# Altium PCB Copy of PCB.PcbDoc (part 3 of 3)
Units mm, origin at the board's own origin, x right, y up, seen from the top; angles counter-clockwise.
Board outline 229 x 100 mm, 4 copper layers (Top Layer 1, Inner Layer 2, Inner Layer 3, Bottom Layer 4), stack 1.586 mm thick; 164 components, 97 nets, 426 pads, 765 vias.
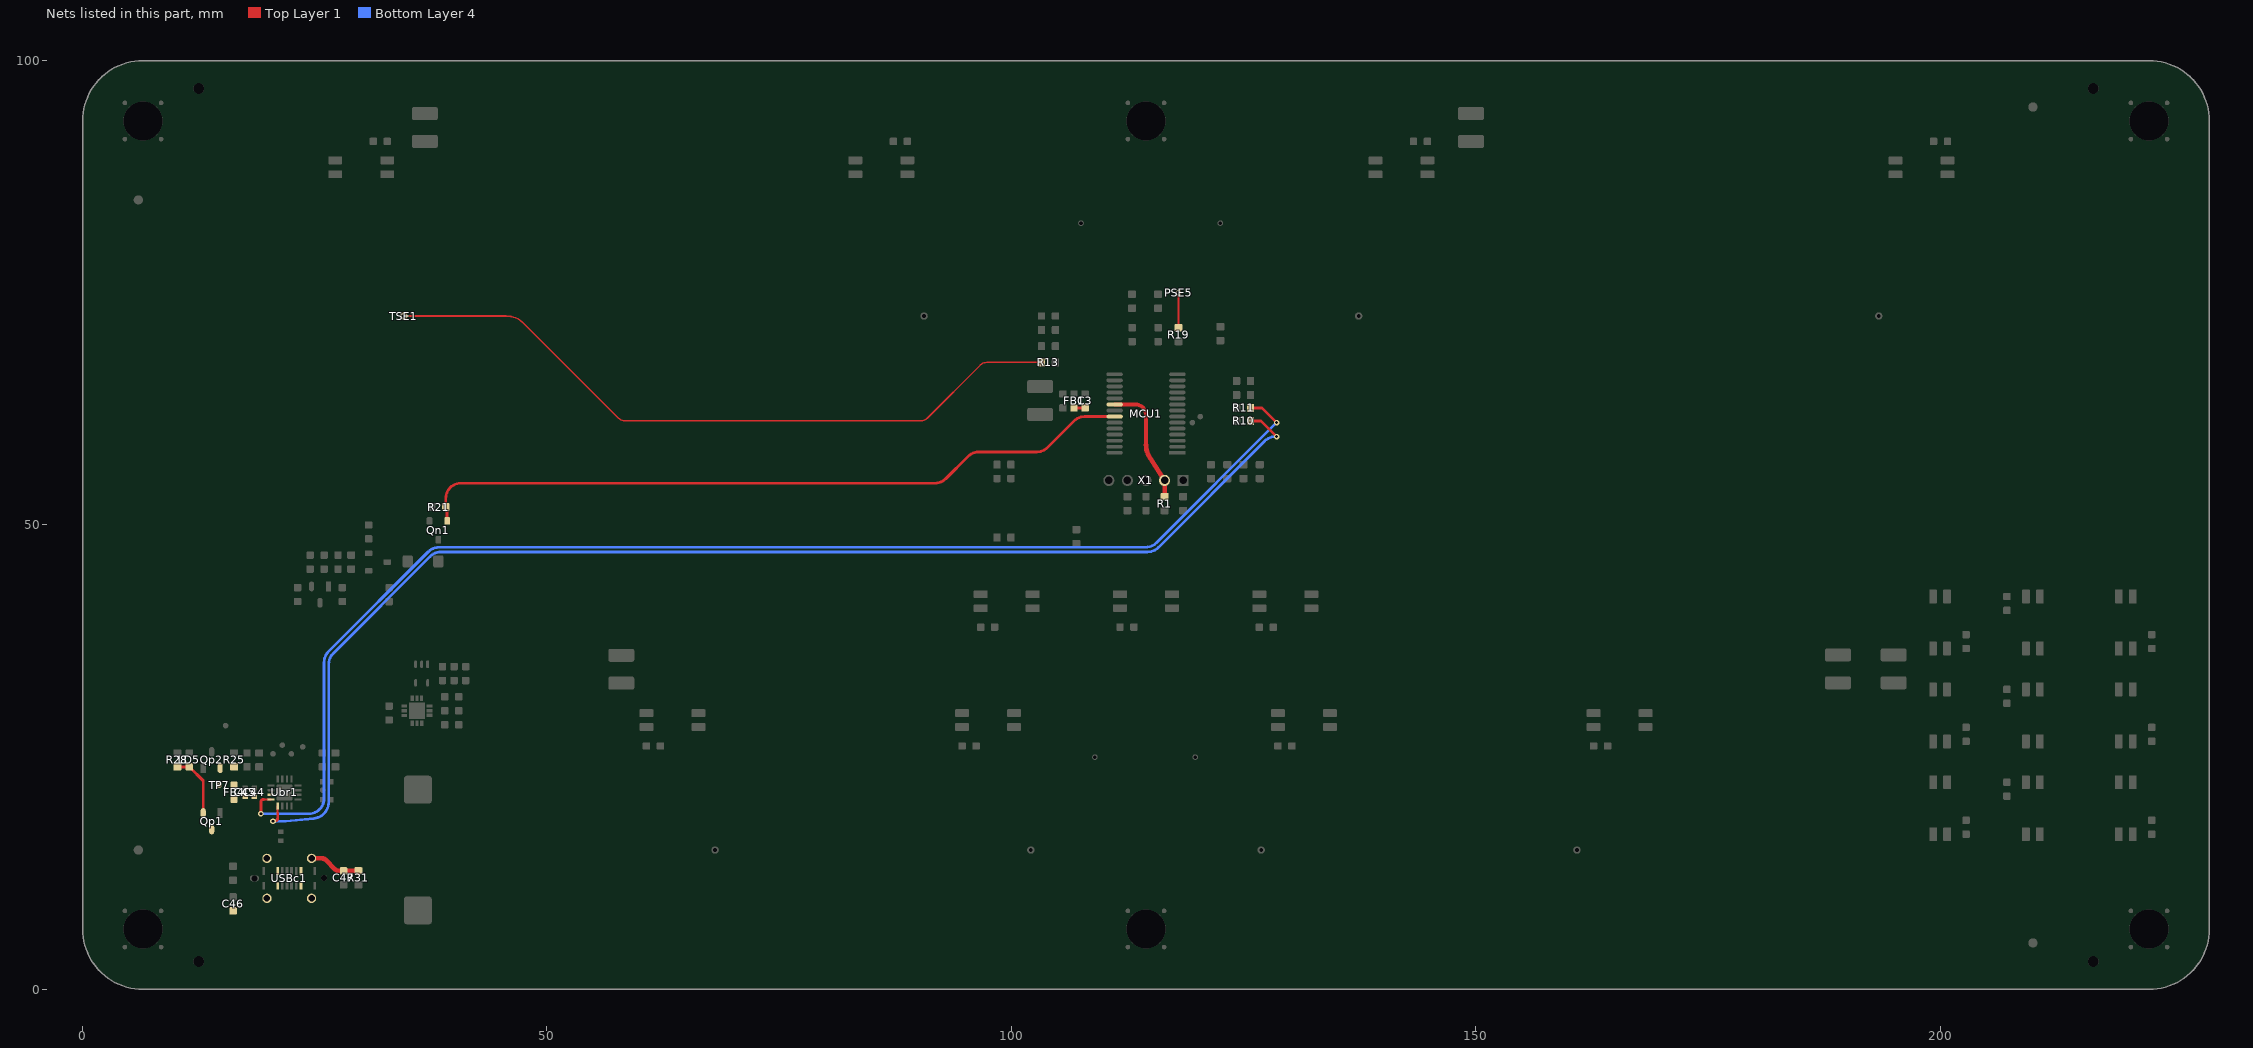
[diagram p5: the nets of this part, all layers, seen from the top]

## Via types
v1: diameter 0.6, hole 0.3, Top Layer 1 to Bottom Layer 4, tented both sides, 696 vias
v2: diameter 0.7, hole 0.4, Top Layer 1 to Bottom Layer 4, tented both sides, 69 vias

## Nets (pads, with @x,y where several pads share a name; then routed paths per layer and width w, separated by ;. In a path a pad name is that pad's centre, name@x,y a point inside that pad or via, vN(x,y) a via of type N, cw(c..) or ccw(c..) an arc to the next point about the centre after c; other vN are vias at no path point) (continued)
RXD: R10.1 Ubr1.5 | length 139.7
  Top Layer 1 w0.2: 21,18.95 Ubr1.5@21,19.75
  Top Layer 1 w0.3: v1(20.5,18.1) 20.734,18.127 ccw(c20.7,18.425) 21,18.425 21,18.95 ; R10.1@125.75,61.2 126.882,61.2 v1(128.565,59.518)
  Bottom Layer 4 w0.3: v1(20.5,18.1) 21.704,18.1 ccw(c21.701,19.75) 21.863,18.108 24.911,18.409 ccw(c24.738,20.162) 26.5,20.162 26.5,35.009 cw(c28.15,35.009) 26.982,36.175 37.425,46.617 cw(c38.591,45.45) 38.591,47.1 114.664,47.1 ccw(c114.664,48.75) 115.829,47.583 127.282,59.035 cw(c128.448,57.868) 128.448,59.518 v1(128.565,59.518)
SH: C47.2 R31.1 USBc1.SH | length 5.6
  Top Layer 1 w0.5: USBc1.SH@24.65,14.1 25.81,14.1 cw(c25.81,13.6) 26.163,13.954 27.222,12.896 ccw(c27.575,13.25) 27.575,12.75 R31.1@29.7,12.75
SHIELD: PSE5.1 R19.1 | length 3.7
  Top Layer 1 w0.17: R19.1@118,71.25 PSE5.1@118,75
TXD: R11.1 Ubr1.4 | length 141.8
  Top Layer 1 w0.2: 19.5,20.45 Ubr1.4@20.3,20.45
  Top Layer 1 w0.3: v1(19.2,18.9) 19.2,20.15 cw(c19.5,20.15) 19.5,20.45 ; R11.1@125.75,62.6 126.99,62.6 v1(128.565,61.025)
  Bottom Layer 4 w0.3: v1(19.2,18.9) 24.35,18.9 ccw(c24.35,20.55) 26,20.55 26,35.217 cw(c27.65,35.217) 26.482,36.383 37.217,47.117 cw(c38.383,45.95) 38.383,47.6 114.456,47.6 ccw(c114.456,49.25) 115.622,48.082 v1(128.565,61.025)
VBUS: FB4.1 LD5.2 Qp1.2 Qp2.2 R25.1 R28.2 TP7.1 | length 6.9
  Top Layer 1 w0.3: R28.2@10.2,23.95 LD5.2@11.5,23.95 12.985,22.465 Qp1.2@12.985,18.977
VBUSin: C46.2 Qp1.3 USBc1.A4 USBc1.A9 USBc1.B4 USBc1.B9
VDD5: C44.1 C45.1 FB4.2 Ubr1.3
VIBRATE: MCU1.22 Qn1.1 R21.2 | length 78.1
  Top Layer 1 w0.3: Qn1.1@39.25,50.435 39.25,51.64 R21.2@39.1,51.925 39.1,52.85 cw(c40.75,52.85) 40.75,54.5 91.767,54.5 ccw(c91.767,56.15) 92.933,54.983 95.335,57.385 cw(c96.501,56.218) 96.501,57.868 102.734,57.868 ccw(c102.734,59.518) 103.9,58.35 106.742,61.192 cw(c107.908,60.025) 107.908,61.675 MCU1.22@111.125,61.675
VppMCU: C3.2 FB1.2 MCU1.20 R1.2 X1.2 | length 14.5
  Top Layer 1 w0.3: FB1.2@106.75,62.6 C3.2@107.95,62.6
  Top Layer 1 w0.4: MCU1.20@111.125,62.975 113.381,62.975 cw(c113.381,61.856) 114.5,61.856 114.5,58.648
  Top Layer 1 w0.5: 114.5,58.648 ccw(c117.1,58.648) 114.92,57.231 X1.2@116.5,54.8 116.5,53.275 R1.2@116.55,53.125
XOR: R13.2 TSE1.1 | length 75.7
  Top Layer 1 w0.17: TSE1.1@34.6,72.5 45.609,72.5 cw(c45.609,69.865) 47.29,71.894 cw(c46.692,71.175) 47.354,71.835 52.676,66.523 57.702,61.506 ccw(c58.362,62.167) 58.362,61.232 90.291,61.232 ccw(c90.291,62.167) 90.951,61.505 96.673,67.227 cw(c97.333,66.565) 97.333,67.5 R13.2@103.25,67.5
pads on no net: FID1.1 FID2.1 FID3.1 FID4.1 LL1.1 RN1.1 RN1.MH RN2.1 RN2.MH RN3.1 RN3.MH RN4.1 RN4.MH RN5.1 RN5.MH RN6.1 RN6.MH TO1.1 TO2.1 TO3.1 TO4.1 USBc1.A5 USBc1.A8 USBc1.B5 USBc1.B8 USBc1.MH WS20.4

## Polygon pours and split planes (outlines as drawn)
GND on Top Layer 1 "Pol" (solid, pour order 47): 121.815,55.4 120.044,55.4 120.044,54.6 121.815,54.6
VBUSin on Top Layer 1 "Pol" (solid, pour order 88): 13.407,8.693 13.407,17.373 cw(c13.787,17.373) 13.787,17.753 14.013,17.753 cw(c14.013,17.366) 14.4,17.366 14.4,9.746 ccw(c15.146,9.746) 15.146,9 20.254,9 ccw(c20.254,9.446) 20.7,9.446 20.7,13.025 cw(c20.85,13.025) 20.85,13.175 21.15,13.175 21.15,9.446 ccw(c21.596,9.446) 21.596,9 22.904,9 ccw(c22.904,9.446) 23.35,9.446 23.35,13.175 23.65,13.175 cw(c23.65,13.025) 23.8,13.025 23.8,8.915 cw(c22.385,8.915) 22.385,7.5 14.6,7.5 cw(c14.6,8.693)
GND on Top Layer 1 "Pol" (solid, pour order 78): 111.125,63.832 109.157,63.832 cw(c109.157,64.338) 108.799,63.981 108.315,64.465 ccw(c108.23,64.38) 108.23,64.5 107.67,64.5 ccw(c107.67,64.38) 107.55,64.38 107.55,63.82 ccw(c107.67,63.82) 107.67,63.7 108.131,63.7 cw(c108.131,63.462) 108.3,63.63 108.377,63.553 ccw(c108.704,63.881) 108.704,63.418 111.125,63.418
GND on Top Layer 1 "Pol" (hatched 45Degree grid 2 track 0.15, pour order 80): 86,81 cw(c86,72.5) 94.5,72.5 cw(c86,72.5) 86,64 cw(c86,72.5) 77.5,72.5 cw(c86,72.5)
GND on Top Layer 1 "Pol" (hatched 45Degree grid 2 track 0.15, pour order 45): 165.5,23.5 cw(c165.5,15) 174,15 cw(c165.5,15) 165.5,6.5 cw(c165.5,15) 157,15 cw(c165.5,15)
GND on Top Layer 1 "Pol" (hatched 45Degree grid 2 track 0.15, pour order 85): 131.5,23.5 cw(c131.5,15) 140,15 cw(c131.5,15) 131.5,6.5 cw(c131.5,15) 123,15 cw(c131.5,15)
GND on Top Layer 1 "Pol" (hatched 45Degree grid 2 track 0.15, pour order 84): 97.5,23.5 cw(c97.5,15) 106,15 cw(c97.5,15) 97.5,6.5 cw(c97.5,15) 89,15 cw(c97.5,15)
GND on Top Layer 1 "Pol" (hatched 45Degree grid 2 track 0.15, pour order 83): 63.5,23.5 cw(c63.5,15) 72,15 cw(c63.5,15) 63.5,6.5 cw(c63.5,15) 55,15 cw(c63.5,15)
GND on Top Layer 1 "Pol" (hatched 45Degree grid 2 track 0.15, pour order 82): 198,81 cw(c198,72.5) 206.5,72.5 cw(c198,72.5) 198,64 cw(c198,72.5) 189.5,72.5 cw(c198,72.5)
GND on Top Layer 1 "Pol" (hatched 45Degree grid 2 track 0.15, pour order 81): 142,81 cw(c142,72.5) 150.5,72.5 cw(c142,72.5) 142,64 cw(c142,72.5) 133.5,72.5 cw(c142,72.5)
GND on Top Layer 1 "Pol" (hatched 45Degree grid 2 track 0.15, pour order 66): 30,81 cw(c30,72.5) 38.5,72.5 cw(c30,72.5) 30,64 cw(c30,72.5) 21.5,72.5 cw(c30,72.5)
VppMCU on Top Layer 1 "Pol" (solid, pour order 54): 111.125,63.182 108.556,63.182 ccw(c108.556,62.837) 108.311,63.081 cw(c108.115,63.277) 108.115,63 106.47,63 106.47,62.2 108.23,62.2 ccw(c108.23,62.787) 108.645,62.372 108.804,62.531 cw(c109.375,61.96) 109.375,62.768 111.125,62.768
VBUS on Top Layer 1 "Pol" (solid, pour order 55): 16.74,22.295 16.74,24.23 ccw(c16.62,24.23) 16.62,24.35 15.99,24.35 15.987,24.353 14.815,24.353 ccw(c14.815,24.079) 14.622,24.273 12.993,22.644 ccw(c13.671,21.965) 12.712,21.965 12.712,18.721 13.258,18.721 13.258,19.675 cw(c14.666,19.675) 13.671,20.671 14.273,21.273 cw(c15.002,20.544) 15.002,21.575 16.58,21.575 ccw(c16.58,21.735) 16.74,21.735
VDD5 on Top Layer 1 "Pol" (solid, pour order 51): 20.3,21.075 18.91,21.075 ccw(c18.91,20.9) 18.786,21.024 18.772,21.009 cw(c18.689,21.091) 18.689,20.975 17.263,20.975 ccw(c17.262,20.913) 17.218,20.957 17.175,20.914 cw(c17.082,21.007) 17.082,20.875 16.02,20.875 16.02,20.075 16.58,20.075 ccw(c16.58,20.195) 16.665,20.11 16.928,20.373 cw(c17.174,20.126) 17.174,20.475 18.737,20.475 ccw(c18.737,20.537) 18.782,20.493 19.052,20.764 cw(c19.2,20.616) 19.2,20.825 20.3,20.825
GND on Top Layer 1 "Pol" (solid, pour order 50): 20.3,21.575 19.2,21.575 cw(c19.2,21.784) 19.052,21.636 18.763,21.925 17.263,21.925 17.2,21.863 17.2,21.488 17.263,21.425 18.703,21.425 cw(c18.703,21.342) 18.762,21.401 18.802,21.36 ccw(c18.887,21.445) 18.887,21.325 20.3,21.325
GND on Top Layer 1 "GND_L01_P089" (solid, remove dead copper, pour order 89): 6.5,0 cw(c6.5,6.5) 0,6.5 0,93.5 cw(c6.5,93.5) 6.5,100 222.5,100 cw(c222.5,93.5) 229,93.5 229,6.5 cw(c222.5,6.5) 222.5,0
+5.0V on Top Layer 1 "Pol" (solid, pour order 74): 14,25 16.6,25 ccw(c16.6,25.5) 17.1,25.5 17.1,36.3 ccw(c16.5,36.3) 16.5,36.9 14.2,36.9 ccw(c14.2,36.3) 13.6,36.3 13.6,25.4 ccw(c14,25.4)
NetC12_2 on Top Layer 1 "Pol" (solid, pour order 76): 28.92,47.15 29.079,47.15 ccw(c29.079,47.993) 29.675,47.397 30.133,47.855 ccw(c29.488,48.5) 30.4,48.5 31.2,48.5 31.2,46.75 cw(c30.8,46.75) 30.8,46.35 28.92,46.35
+5.0V on Top Layer 1 "Pol" (solid, pour order 72): 101.998,64.2 103.926,64.2 103.926,65.6 98.602,65.6 ccw(c98.602,63.498) 96.5,63.498 96.5,59.275 ccw(c97.275,59.275) 97.275,58.5 99.477,58.5 ccw(c99.477,59.223) 100.2,59.223 100.2,62.402 cw(c101.998,62.402)
NetDs1_2 on Top Layer 1 "Pol" (solid, pour order 75): 38,48.415 38,47.03 cw(c37.633,47.03) 37.893,46.771 37.798,46.677 ccw(c37.915,46.56) 37.75,46.56 37.75,46 38.85,46 38.85,46.56 38.6,48.105 38.6,48.415
NetC15_2 on Top Layer 1 "Pol" (solid, pour order 48): 32.6,43.53 32.41,45.79 32.41,46.21 cw(c32.5,46.21) 32.5,46.3 33.251,46.3 34.402,46.69 cw(c34.615,46.063) 34.615,46.725 35.385,46.725 cw(c35.385,46.554) 35.55,46.51 35.55,45.591 cw(c35.385,45.591) 35.385,45.426 ccw(c35.385,44.813) 34.93,45.224 33.588,43.738 ccw(c34.128,43.25) 33.4,43.25 33.4,42.97 32.6,42.97
+5.0V on Inner Layer 3 "Inner Layer 3-+5.0V" (solid, pour order 42): 17,32 57.5,32 cw(c57.5,31) 58.5,31 58.5,26.5 ccw(c59,26.5) 59,26 59.2,26 ccw(c59.2,26.5) 59.7,26.5 59.7,31 cw(c60.7,31) 60.7,32 91.5,32 cw(c91.5,31) 92.5,31 92.5,26.5 ccw(c93,26.5) 93,26 93.2,26 ccw(c93.2,26.5) 93.7,26.5 93.7,31 cw(c94.7,31) 94.7,32 126,32 cw(c126,31.5) 126.5,31.5 126.5,26.5 ccw(c127,26.5) 127,26 127.169,26 ccw(c127.169,26.531) 127.7,26.531 127.7,31.5 cw(c128.2,31.5) 128.2,32 160,32 cw(c160,31.5) 160.5,31.5 160.5,26.5 ccw(c161,26.5) 161,26 161.2,26 ccw(c161.2,26.5) 161.7,26.5 161.7,31.5 cw(c162.2,31.5) 162.2,32 204,32 cw(c204,31.5) 204.5,31.5 204.5,16.6 ccw(c204.9,16.6) 204.9,16.2 205.1,16.2 ccw(c205.1,16.6) 205.5,16.6 205.5,31.5 cw(c206,31.5) 206,32 223,32 cw(c223,31.5) 223.5,31.5 223.5,16.5 ccw(c223.8,16.5) 223.8,16.2 224.2,16.2 ccw(c224.2,16.5) 224.5,16.5 224.5,36.5 ccw(c224,36.5) 224,37 207,37 cw(c207,37.5) 206.5,37.5 206.5,42.4 ccw(c206.1,42.4) 206.1,42.8 205.9,42.8 ccw(c205.9,42.4) 205.5,42.4 205.5,37.5 cw(c205,37.5) 205,37 126.2,37 cw(c126.2,37.5) 125.7,37.5 125.7,39.227 ccw(c125.227,39.227) 125.227,39.7 125.001,39.7 ccw(c125.001,39.199) 124.5,39.199 124.5,37.5 cw(c124,37.5) 124,37 111.2,37 cw(c111.2,37.5) 110.7,37.5 110.7,39.3 ccw(c110.3,39.3) 110.3,39.7 109.8,39.7 ccw(c109.8,39.3) 109.4,39.3 109.4,37.5 cw(c108.9,37.5) 108.9,37 96.207,37 cw(c96.206,37.506) 95.7,37.507 95.7,39.1 ccw(c95.3,39.1) 95.3,39.5 94.9,39.5 ccw(c94.9,39.1) 94.5,39.1 94.5,37.5 cw(c94,37.5) 94,37 18,37 cw(c18,38) 17,38 17,56.5 cw(c19,56.5) 19,58.5 99.378,58.5 ccw(c99.378,59.322) 100.2,59.322 100.2,59.678 ccw(c99.378,59.678) 99.378,60.5 17,60.5 cw(c17,62) 15.5,62 15.5,89.7 cw(c16.5,89.7) 16.5,90.7 107.5,90.7 cw(c107.5,89.7) 108.5,89.7 ccw(c111.203,89.7) 111.204,86.996 118.196,86.996 ccw(c118.196,89.3) 120.5,89.3 120.5,89.7 cw(c121.5,89.7) 121.5,90.7 202.5,90.7 ccw(c202.5,91.2) 203,91.2 203,91.5 ccw(c202.492,91.5) 202.492,92.008 121.508,92.008 ccw(c121.507,89.501) 119,89.5 cw(c118,89.5) 118,88.5 111.2,88.5 cw(c111.2,89.7) 110,89.7 ccw(c107.5,89.701) 107.5,92.2 16.5,92.2 ccw(c16.499,89.701) 14,89.7 14,33.1 ccw(c15.1,33.1) 15.1,32
SH on Inner Layer 3 "SHELD_USB" (solid, pour order 12): 18.5,15.3 26,15.3 cw(c26,14) 27.3,14 27.3,9.91 cw(c26.19,9.91) 26.19,8.8 18.485,8.8 cw(c18.485,10.085) 17.2,10.085 17.2,14 cw(c18.5,14)
GND on Inner Layer 3 "GND_L03_P064" (solid, pour order 64): 6.5,0 cw(c6.5,6.5) 0,6.5 0,93.5 cw(c6.5,93.5) 6.5,100 222.5,100 cw(c222.5,93.5) 229,93.5 229,6.5 cw(c222.5,6.5) 222.5,0
GND on Bottom Layer 4 "Pol" (hatched 45Degree grid 1.5 track 0.17, remove dead copper, pour order 38): 63.151,24.995 165.553,24.995 cw(c165.553,15.048) 175.5,14.971 cw(c165.365,15.05) 165.365,4.915 63.584,4.915 cw(c63.584,14.884) 53.615,14.926 53.617,15.501 cw(c63.151,15.462)
SHIELD on Bottom Layer 4 "Pol" (hatched 45Degree grid 1.5 track 0.17, remove dead copper, pour order 67): 29.658,82.495 198.071,82.495 cw(c198.071,72.533) 208.033,72.533 cw(c197.915,72.533) 197.915,62.415 30.091,62.415 cw(c30.091,72.384) 20.122,72.426 20.124,73.001 cw(c29.658,72.962)
GND on Bottom Layer 4 "GND_L04_P070" (solid, remove dead copper, pour order 70): 6.5,0 cw(c6.5,6.5) 0,6.5 0,93.5 cw(c6.5,93.5) 6.5,100 222.5,100 cw(c222.5,93.5) 229,93.5 229,6.5 cw(c222.5,6.5) 222.5,0
GND on Inner Layer 2 "GND_L02_P039" (solid, pour order 39): 6.5,0 cw(c6.5,6.5) 0,6.5 0,93.5 cw(c6.5,93.5) 6.5,100 222.5,100 cw(c222.5,93.5) 229,93.5 229,6.5 cw(c222.5,6.5) 222.5,0

## Keep-outs
Inner Layer 2:
  lines w1: 36,72.5 45.609,72.5 cw(c45.609,69.865) 47.29,71.894 cw(c46.692,71.175) 47.354,71.835 52.676,66.523 57.702,61.506 ccw(c58.362,62.167) 58.362,61.232 90.291,61.232 ccw(c90.291,62.167) 90.951,61.505 96.673,67.227 cw(c97.333,66.565) 97.333,67.5 104.75,67.5 105.03,67.5 105.763,67.5 cw(c105.763,66.565) 106.423,67.227 109.103,64.547 ccw(c109.762,65.21) 109.762,64.275 111.125,64.275 ; 70.5,15 77.209,15 ccw(c77.209,17.635) 79.07,15.77 79.43,16.13 ccw(c77.565,17.991) 80.2,17.991 80.2,39.512 cw(c81.941,39.509) 80.708,40.738 88.347,48.377 cw(c89.007,47.715) 89.007,48.65 99.958,48.65 101.863,48.65 ccw(c101.863,49.585) 102.523,48.923 105.062,51.462 ccw(c104.4,52.122) 105.335,52.122 105.335,55.648 cw(c106.27,55.648) 105.608,56.308 108.752,59.452 cw(c109.412,58.79) 109.412,59.725 111.125,59.725 ; 93,72.5 95.571,72.5 cw(c95.571,71.565) 96.231,72.227 98.935,69.523 ccw(c99.595,70.185) 99.595,69.25 104.75,69.25 105.613,69.25 cw(c105.613,68.315) 106.273,68.977 109.102,66.148 cw(c108.44,65.488) 109.103,66.147 110.051,65.199 ccw(c110.712,65.86) 110.235,65.056 110.456,64.925 111.125,64.925 ; 104.5,15 105.969,15 ccw(c105.969,16.531) 107.5,16.531 107.5,47.43 ccw(c107.33,47.43) 107.451,47.549 107.28,47.72 107,48 107,55.869 cw(c107.935,55.869) 107.273,56.529 109.546,58.802 cw(c110.206,58.14) 110.206,59.075 111.125,59.075 ; 117.875,58.425 120.423,58.425 cw(c120.423,57.49) 121.083,58.152 121.227,58.008 cw(c120.565,57.348) 121.5,57.348 121.5,56.78 121.5,56.5 ; 117.875,59.075 122.315,59.075 cw(c122.315,58.14) 123.25,58.14 123.25,56.5 ; 117.875,59.725 123.263,59.725 cw(c123.263,58.79) 123.923,59.452 124.727,58.648 cw(c124.065,57.988) 125,57.988 125,56.78 125,56.5 ; 117.875,60.375 124.298,60.375 cw(c124.298,59.44) 124.958,60.102 126.477,58.583 cw(c125.815,57.923) 126.75,57.923 126.75,56.5 ; 117.875,64.275 121.038,64.275 cw(c121.038,63.34) 121.118,64.272 123.97,64.027 124.25,64 129.178,64 cw(c129.178,63.065) 129.838,63.727 132.267,61.298 ccw(c132.927,61.96) 132.927,61.025 152.362,61.025 ccw(c152.362,61.96) 153.022,61.298 163.703,71.978 cw(c164.964,70.715) 164.964,72.5 191.5,72.5 ; 117.875,64.925 121.038,64.925 ccw(c121.038,65.86) 121.205,64.94 123.97,65.443 124.25,65.5 128.613,65.5 ccw(c128.613,66.435) 129.273,65.773 130.227,66.727 ccw(c129.565,67.387) 130.5,67.387 130.5,69.288 cw(c131.435,69.288) 130.773,69.948 133.052,72.227 cw(c133.712,71.565) 133.712,72.5 136,72.5 ; 117.875,65.575 120.044,65.575 ccw(c120.044,66.51) 120.704,65.848 122.227,67.371 ccw(c121.565,68.031) 122.5,68.031 122.5,69.85 122.5,80.5 ; 117.875,66.225 118,66.35 118,69.75 ; 120.905,26.105 ccw(c120.243,26.766) 121.178,26.766 121.178,50.038 cw(c122.113,50.038) 121.451,50.698 122.977,52.225 ccw(c122.315,52.885) 123.25,52.885 123.25,55 ; 124.5,15 121.424,15 cw(c121.424,15.935) 120.764,15.273 120.516,15.521 cw(c121.178,16.181) 120.243,16.181 120.243,20.45 cw(c121.178,20.45) 120.516,21.11 122.835,23.43 ccw(c122.173,24.09) 123.108,24.09 123.108,49.612 cw(c124.043,49.612) 123.381,50.272 124.727,51.619 ccw(c124.065,52.279) 125,52.279 125,55 ; 126.75,55 126.75,52.087 ccw(c127.685,52.087) 127.023,51.427 130.178,48.272 ccw(c130.837,48.935) 130.835,48 139.573,48 cw(c139.573,47.065) 140.233,47.727 145.727,42.233 cw(c145.065,41.573) 146,41.573 146,22.691 ccw(c148.635,22.691) 146.773,20.827 151.83,15.77 ccw(c153.691,17.635) 153.691,15 158.5,15

## Other copper
Bottom Layer 4:
  pour cut-out: 14.6,36.25 16.6,36.25 16.6,33.2 14.6,33.2

## Silkscreen, mask and mechanical layers (free items; w line width, h text height)
Top Overlay:
  drawing of 5505 lines, arcs and shapes, not listed
  text "HELP" at 153.133,61.613 h4
  text "Y=A  B" at 162.2,54.961 h4
  text "XOR gate" at 141.7,54.861 h4
  text "Y=A+B" at 162.2,51.828 h4
  text "OR gate" at 141.7,49.833 h4
  text "Y=A*B" at 162.2,46.8 h4
  text "AND gate" at 141.7,44.861 h4
  text "Y = A" at 162.2,39.877 h4
  text "NOT gate" at 141.7,39.778 h4
Bottom Overlay:
  drawing of 308 lines, arcs and shapes, not listed
  text "Catcatcat Electronics" at 212.6,92.781 h6
  text "Logic   Gate" at 139.893,85.404 h6
  text "Y" at 103.094,47.01 h6
  text "B" at 117.719,47.01 h6
  text "A" at 133.355,47.01 h6
  text "Your level" at 231.089,41.97 h6
  text "RED  - \"1\" / BLUE - \"0\"" at 176.2,41.501 h4
  text "Mode" at 177.183,11.744 h6
  text "On/Off" at 77.351,11.689 h6
  text "1" at 99.635,10.115 h6
  text "0" at 134.621,9.931 h6
Board pcb:
  the board outline again, w0.1
Drill Drawing:
  circle w0.1: c107.764,128.484 r0.455
  lines w0.1: 107.31,117.8 107.31,118.027 107.537,118.254 107.31,118.482 107.31,118.709 107.537,118.709 107.764,118.482 107.992,118.709 108.219,118.709 108.219,118.482 107.992,118.254 108.219,118.027 108.219,117.8 107.992,117.8 107.764,118.027 107.537,117.8 107.31,117.8 ; 107.31,120.073 107.537,120.073 107.537,119.846 107.992,119.846 107.992,120.073 108.219,120.073 108.219,120.528 107.992,120.528 107.992,120.755 107.537,120.755 107.537,120.528 107.31,120.528 107.31,120.073 ; 107.31,121.892 107.764,122.119 108.219,121.892 107.992,122.346 108.219,122.801 107.764,122.574 107.31,122.801 107.537,122.346 107.31,121.892 ; 107.31,124.847 108.219,124.847 107.764,123.938 107.31,124.847 ; 107.31,126.211 107.537,126.211 107.764,125.984 107.992,126.211 108.219,126.211 107.992,126.438 108.219,126.666 107.992,126.666 107.764,126.893 107.537,126.666 107.31,126.666 107.537,126.438 107.31,126.211 ; 107.31,130.076 108.219,130.076 108.219,130.985 107.31,130.985 107.31,130.076 ; 107.31,132.576 107.764,132.122 108.219,132.576 107.764,133.031 107.31,132.576
  lines w0.3: 106.505,117.186 177.504,117.186 ; 106.505,133.554 177.504,133.554 ; 111.373,115.14 111.373,135.6 ; 116.189,115.14 116.189,135.6 ; 124.529,115.14 124.529,135.6 ; 128.556,115.14 128.556,135.6 ; 134.247,115.14 134.247,135.6 ; 147.246,115.14 147.246,135.6 ; 151.954,115.14 151.954,135.6 ; 157.872,115.14 157.872,135.6 ; 170.746,115.14 170.746,135.6 ; 106.505,115.14 177.504,115.14 177.504,135.6 106.505,135.6 106.505,115.14
  text "Symbol" at 107.733,134.168 h1.44
  text "Count" at 111.986,134.168 h1.44
  text "Hole Size" at 116.803,134.168 h1.44
  text "Plated" at 125.143,134.168 h1.44
  text "Hole Type" at 129.169,134.168 h1.44
  text "Drill Layer Pair" at 134.86,134.168 h1.44
  text "Via/Pad" at 147.86,134.168 h1.44
  text "Pad Shape" at 152.568,134.168 h1.44
  text "Template" at 158.486,134.168 h1.44
  text "Description" at 171.36,134.168 h1.44
  text "696" at 111.986,132.122 h1.2
  text "0.300mm (11.81mil)" at 116.803,132.122 h1.2
  text "PTH" at 125.143,132.122 h1.2
  text "Round" at 129.169,132.122 h1.2
  text "Top Layer 1 - Bottom Layer 4" at 134.86,132.122 h1.2
  text "Via" at 147.86,132.122 h1.2
  text "Rounded" at 152.568,132.122 h1.2
  text "(Mixed)" at 158.486,132.122 h1.2
  text "82" at 111.986,130.076 h1.2
  text "0.400mm (15.75mil)" at 116.803,130.076 h1.2
  text "PTH" at 125.143,130.076 h1.2
  text "Round" at 129.169,130.076 h1.2
  text "Top Layer 1 - Bottom Layer 4" at 134.86,130.076 h1.2
  text "(Mixed)" at 147.86,130.076 h1.2
  text "Rounded" at 152.568,130.076 h1.2
  text "(Mixed)" at 158.486,130.076 h1.2
  text "1" at 111.986,128.03 h1.2
  text "0.650mm (25.59mil)" at 116.803,128.03 h1.2
  text "PTH" at 125.143,128.03 h1.2
  text "Round" at 129.169,128.03 h1.2
  text "Top Layer 1 - Bottom Layer 4" at 134.86,128.03 h1.2
  text "Pad" at 147.86,128.03 h1.2
  text "Rounded" at 152.568,128.03 h1.2
  text "c65h65m75p0" at 158.486,128.03 h1.2
  text "1" at 111.986,125.984 h1.2
  text "0.650mm (25.59mil)" at 116.803,125.984 h1.2
  text "NPTH" at 125.143,125.984 h1.2
  text "Slot" at 129.169,125.984 h1.2
  text "Top Layer 1 - Bottom Layer 4" at 134.86,125.984 h1.2
  text "Pad" at 147.86,125.984 h1.2
  text "Rounded" at 152.568,125.984 h1.2
  text "r100_65hn65_100r32m110_75p0" at 158.486,125.984 h1.2
  text "4" at 111.986,123.938 h1.2
  text "0.700mm (27.56mil)" at 116.803,123.938 h1.2
  text "PTH" at 125.143,123.938 h1.2
  text "Round" at 129.169,123.938 h1.2
  text "Top Layer 1 - Bottom Layer 4" at 134.86,123.938 h1.2
  text "Pad" at 147.86,123.938 h1.2
  text "Rounded" at 152.568,123.938 h1.2
  text "c100h70m110p0" at 158.486,123.938 h1.2
  text "5" at 111.986,121.892 h1.2
  text "0.800mm (31.50mil)" at 116.803,121.892 h1.2
  text "PTH" at 125.143,121.892 h1.2
  text "Round" at 129.169,121.892 h1.2
  text "Top Layer 1 - Bottom Layer 4" at 134.86,121.892 h1.2
  text "Pad" at 147.86,121.892 h1.2
  text "(Mixed)" at 152.568,121.892 h1.2
  text "(Mixed)" at 158.486,121.892 h1.2
  text "4" at 111.986,119.846 h1.2
  text "1.152mm (45.35mil)" at 116.803,119.846 h1.2
  text "NPTH" at 125.143,119.846 h1.2
  text "Round" at 129.169,119.846 h1.2
  text "Top Layer 1 - Bottom Layer 4" at 134.86,119.846 h1.2
  text "Pad" at 147.86,119.846 h1.2
  text "Rounded" at 152.568,119.846 h1.2
  text "c115hn115m135p0" at 158.486,119.846 h1.2
  text "6" at 111.986,117.8 h1.2
  text "4.220mm (166.14mil)" at 116.803,117.8 h1.2
  text "NPTH" at 125.143,117.8 h1.2
  text "Round" at 129.169,117.8 h1.2
  text "Top Layer 1 - Bottom Layer 4" at 134.86,117.8 h1.2
  text "Pad" at 147.86,117.8 h1.2
  text "Rounded" at 152.568,117.8 h1.2
  text "c422hn422m432p0" at 158.486,117.8 h1.2
  text "799 Total" at 111.986,115.754 h1.2
  text "Slot definitions :" at 107.733,114.322 h1.2
  text "Routed Path Length" at 114.705,114.322 h1.2
  text "= Calculated from tool start centre position to tool end centre position." at 122.935,114.322 h1.2
  text "Hole Length" at 114.705,113.503 h1.2
  text "= Routed Path Length + Tool Size = Slot length as defined in the PCB layout" at 119.788,113.503 h1.2
Fab Notes:
  drawing of 436 lines, arcs and shapes, not listed
  text "IMPEDANCE TABLE" at 2.301,137.01 h2.03
  text "DESIGN INFORMATION" at 297.5,137 h2
  text "LAYER" at 0,134 h1
  text "TRACE WIDTH" at 6,134 h1
  text "IMPEDANCE +/- 10%" at 16,134 h1
  text "REFERENCE LAYER" at 32.5,134 h1
  text "LAYER" at 50.2,133.8 h1
  text "TRACE WIDTH" at 56.2,133.8 h1
  text "SPACING" at 67.2,133.8 h1
  text "IMPEDANCE +/- 10%" at 75.2,133.8 h1
  text "REFERENCE LAYER" at 91.7,133.8 h1
  text "PCB REV" at 299.301,131.178 h1.78
  text "TOP" at -0.5,131 h1
  text "6 MILS" at 7.5,131 h1
  text "50 OHM" at 20,131 h1
  text "Layer-2" at 35.5,131 h1
  text "PCB SPECIFICATIONS" at 264.18,131 h1.8
  text ".PCB_Revision" at 312.451,130.928 h1.78
  text "TOP" at 49.7,130.8 h1
  text "6 MILS" at 57.7,130.8 h1
  text "6.01 MILS" at 66.7,130.8 h1
  text "90 OHM" at 79.2,130.8 h1
  text "Layer-2" at 94.7,130.8 h1
  text "Layer-3" at -0.5,128 h1
  text "4 MILS" at 7.5,128 h1
  text "50 OHM" at 20,128 h1
  text "Layer-4" at 35.5,128 h1
  text "Bottom" at 49.7,127.8 h1
  text "4 MILS" at 57.7,127.8 h1
  text "6.01 MILS" at 66.7,127.8 h1
  text "90 OHM" at 79.2,127.8 h1
  text "Layer-9" at 94.7,127.8 h1
  text "Layer-2" at 94.7,125.133 h1
  text "Layer-5" at -0.5,125 h1
  text "4.5 MILS" at 7.5,125 h1
  text "50 OHM" at 20,125 h1
  text "Layer-4" at 35.5,125 h1
  text "LAYERS:" at 264.18,125 h1.8
  text ".Layer_Count" at 304.622,125 h2
  text "TOP" at 50.2,124.8 h1
  text "5.01 MILS" at 57.7,124.8 h1
  text "8.99 MILS" at 66.7,124.8 h1
  text "100 OHM" at 79.2,124.8 h1
  text "Layer-6" at -0.5,122 h1
  text "4.5 MILS" at 7.5,122 h1
  text "50 OHM" at 20,122 h1
  text "Layer-7" at 35.5,122 h1
  text "Layer-3" at 49.7,121.8 h1
  text "Layer-4" at 94.7,121.8 h1
  text "4.01 MILS" at 57.7,121.467 h1
  text "11.99 MILS" at 66.7,121.467 h1
  text "100 OHM" at 79.2,121.467 h1
  text "DIMENSIONS:" at 264.18,120.048 h1.8
  text ".Board_Height x .Board_Width" at 304.122,120 h2
  text "Layer-8" at -0.5,119 h1
  text "4 MILS" at 7.5,119 h1
  text "50 OHM" at 20,119 h1
  text "Layer-9" at 35.5,119 h1
  text "Bottom" at -0.5,116 h1
  text "6 MILS" at 8,116 h1
  text "50 OHM" at 20,116 h1
  text "Layer-9" at 35.5,116 h1
  text ".SPCB_Qty" at 304.5,115 h2
  text "PCB Qty:" at 264.18,114.497 h1.8
  text "Industrial/Consumer electronics" at 304.622,110 h2
  text "PRODUCT TYPE:" at 264.18,109.545 h1.8
  text ".SFinisOverallThickness" at 304.5,105 h2
  text "mm." at 317,105 h1.78
  text "10" at 328,105 h2
  text "%" at 336.5,105 h1.78
  text "FINISHED OVERALL THICKNESS:" at 264.18,104.594 h1.8
  text "DYNACHEM EPIC 200 LPI OR EQUIVALENT" at 304.5,100 h2
  text "SOLDERMASK" at 264.18,99.664 h1.78
  text ".SSolderMaskColor" at 304.5,95 h2
  text "SOLDERMASK COLOR" at 264.18,94.735 h1.78
  text ".SSilkscreeColor" at 304.5,90 h2
  text "SILKSCREEN COLOR" at 264.18,89.805 h1.78
  text ".SMaterialPCB" at 304.8,85 h2
  text "MATERIAL:" at 264.18,84.654 h2
  text ".SSurfaceFinish" at 304.5,80 h2
  text "SURFACE FINISH:" at 264.18,79.702 h1.8
  text ".CopperOuter_Weight_Max" at 304,75 h2
  text "FINISHED" at 316.5,75 h1.78
  text "Cu WEIGHT EXTERNAL LAYERS" at 264.18,74.75 h1.8
  text ".CopperInner_Weight_Max" at 304,70 h2
  text "Cu WEIGHT INTERNAL LAYERS" at 264.18,69.799 h1.8
  text "FINISHED" at 316.5,69.643 h1.78
  text "YES" at 304.5,65 h2
  text "See the impedance table." at 316.5,65 h2.5
  text "CONTROLLED IMPEDANCE" at 264.18,64.847 h1.8
  text ".Svia_covering" at 304.5,60 h2
  text "VIA COVERING:" at 264.18,59.896 h1.8
  text "0.3mm(0.4/0.45mm) (.Hole_Size_Min)" at 304.5,55 h2
  text "MIN VIA HOLE SIZE/DIAMETER:" at 264.18,54.687 h1.8
  text ".SboardOutlineTolerance" at 307.5,50 h2
  text "BOARD OUTLINE TOLERANCE:" at 264.18,49.735 h1.8
  text "YES" at 304.5,45 h2
  text "CONFIRM PRODUCTION FILE:" at 264.18,44.784 h1.8
  text "Specify a location" at 304.5,40 h2
  text "REMOVE ORDER NUMBER:" at 264.18,39.832 h1.8
  text "Fully Test" at 304.5,35 h2
  text "FLYING PROBE TEST:" at 264.18,34.881 h1.8
  text "NO" at 304.5,30 h2
  text "GOLD FINGERS:" at 264.18,29.929 h1.8
  text "NO" at 304.5,25 h2
  text "CASTELLATED HOLES:" at 264.18,24.978 h1.8
  text "4-WIRE KELVIN TEST:" at 264.18,20.026 h1.8
  text "NO" at 304.5,20 h2
  text "PAPER BETWEEN PCBS:" at 264.18,15.075 h1.8
  text "NO" at 304.5,15 h2
  text "SILKSCREEN TECHNOLOGY:" at 264.18,10.123 h1.8
  text "ink-jet/Screen Printing Silkscreen" at 304.5,10 h2
  text "APPEARANCE QUALITY:" at 264.18,5 h1.8
  text "THIS PCB TO BE MANUFACTURED TO MEET ALL ACCEPTANCE LEVELS OF A CLASS 2 PCB PER ANSI/IPC-A-600G." at 304,-0.007 h1.78
  text "Layer" at 1.968,-4.17 h1.52
  text "Name" at 12.38,-4.17 h1.52
  text "Material" at 41.836,-4.17 h1.52
  text "Thickness" at 63.674,-4.17 h1.52
  text "Constant" at 80.18,-4.17 h1.52
  text "Board Layer Stack" at 94.654,-4.17 h1.52
  text "PCB REMARK:" at 264.18,-4.5 h1.8
  text "Top Overlay" at 12.38,-7.218 h1.52
  text "Top Solder Mask" at 12.38,-10.266 h1.52
  text "Solder Resist" at 41.836,-10.266 h1.52
  text "0.015mm" at 63.674,-10.266 h1.52
  text "3.8" at 80.18,-10.266 h1.52
  text "1" at 1.968,-13.314 h1.52
  text "Top Layer 1" at 12.38,-13.314 h1.52
  text "0.035mm" at 63.674,-13.314 h1.52
  text "Dielectric 1" at 12.38,-16.362 h1.52
  text "7628*1" at 41.836,-16.362 h1.52
  text "0.210mm" at 63.674,-16.362 h1.52
  text "4.6" at 80.18,-16.362 h1.52
  text "ALL UL LOGO, MANUFACTURER'S ID, AND DATE CODES SHALL BE PLACED ON THE BOTTOM SIDE UNLESS OTHERWISE INDICATED. / ANY ALTERNATIVES TO THE ABOVE SPECIFICATIONS MUST FIRST BE APPROVED." at 264,-17.354 h2
  text "2" at 1.968,-19.41 h1.52
  text "Inner Layer 2" at 12.38,-19.41 h1.52
  text "0.015mm" at 63.674,-19.41 h1.52
  text "Core" at 12.38,-22.458 h1.52
  text "FR-4" at 41.836,-22.458 h1.52
  text "1.065mm" at 63.674,-22.458 h1.52
  text "4.6" at 80.18,-22.458 h1.52
  text "3" at 1.968,-25.506 h1.52
  text "Inner Layer 3" at 12.38,-25.506 h1.52
  text "0.015mm" at 63.674,-25.506 h1.52
  text "Dielectric 2" at 12.38,-28.554 h1.52
  text "7628*1" at 41.836,-28.554 h1.52
  text "0.210mm" at 63.674,-28.554 h1.52
  text "4.6" at 80.18,-28.554 h1.52
  text "4" at 1.968,-31.602 h1.52
  text "Bottom Layer 4" at 12.38,-31.602 h1.52
  text "0.035mm" at 63.674,-31.602 h1.52
  text "Bottom Solder Mask" at 12.38,-34.65 h1.52
  text "Solder Resist" at 41.836,-34.65 h1.52
  text "0.015mm" at 63.674,-34.65 h1.52
  text "3.8" at 80.18,-34.65 h1.52
  text "Bottom Overlay" at 12.38,-37.698 h1.52
  text "Total board thickness:" at 1.968,-40.746 h1.52
  text "1.616mm" at 63.674,-40.746 h1.52
  text "ADDITIONAL INFORMATION / COMPONENTS: /                 NUMBER OF MIXED TECHNOLOGY COMPONENTS = .ComponentMixed_Count /                 NUMBER OF SMD COMPONENTS = .ComponentSMD_Count /                 NUMBER OF THRU-HOLE COMPONENTS = .ComponentThru_Count /  / PRIMITIVES: /                 NAMBER OF BLIND VIA = .BlindVia_Count /                 NAMBER OF BURIED VIA =  .BuriedVia_Count /                 NAMBER OF MICRO VIA = .MicroVia_Count /                 NAMBER OF SMD PADS = .PadSMD_Count /                 NAMBER OF THRU-HOLE = .PadThru_Count /                 NAMBER OF STACKED VIA = .StackedVia_Count /                 NAMBER OF THRU-HOLE VIAS = .Thru_Via_Count / FAB: /                 MIN HOLE SIZE = .Hole_Size_Min /                 NUMBER OF UNIQUE HOLE SIZES = .Hole_Size_Num" at 264,-63 h1.6
Title (M22):
  drawing of 254 lines, arcs and shapes, not listed
  text "1" at 21.196,142.918 h1.78
  text "2" at 84.586,142.918 h1.78
  text "3" at 147.815,142.918 h1.78
  text "4" at 211.484,142.918 h1.78
  text "5" at 274.959,142.918 h1.78
  text "6" at 338.586,142.918 h1.78
  text "A" at -8.175,113.886 h1.78
  text "A" at 367.745,113.886 h1.78
  text "B" at -8.175,53.434 h1.78
  text "B" at 367.745,53.434 h1.78
  text "C" at -8.175,-6.891 h1.78
  text "C" at 367.745,-6.891 h1.78
  text ".PRJ_Version" at 358.387,-66.951 h2
  text "D" at -8.175,-67.089 h1.78
  text "TITLE:" at 277.02,-67.08 h1.14
  text "D" at 367.745,-67.089 h1.78
  text "Project version:" at 333.02,-67.58 h1.5
  text ".PRJ_Title" at 277.02,-71.08 h2.5
  text "PCB DESIGNER:" at 277.02,-75.58 h1.14
  text "GERBER FILE:" at 305.02,-75.58 h1.14
  text ".Engineer_PCB" at 277.02,-78.58 h1.78
  text ".PRJ_Year-.PRJ_Title-.PRJ_Version-.PCB_Name-R.PCB_Revision" at 305.02,-78.58 h1.5
  text "ENGINEER:" at 277.02,-81.58 h1.14
  text "DATE:" at 343.72,-81.58 h1.14
  text ".AddressCompanyDeveloper" at 242.79,-83.84 h1.78
  text ".Lead_PRJ" at 277.02,-84.58 h1.78
  text ".PRINT_DATE" at 343.72,-84.58 h1.5
  text "BOARD NUMBER:   .PCB_Name-R.PCB_Revision" at 304.02,-85.58 h1.4
  text "Altium Version    '.Application_BuildNumber'" at 326.02,-85.58 h1.4
  text ".AddressCompany" at 238.02,-86.58 h1.78
  text "LAYER NAME:" at 305.02,-87.08 h1.14
  text "10mm" at 346.02,-87.18 h0.7
  text "PCB FILE NAME:" at 277.02,-87.33 h1.14
  text "REV:" at 335.77,-87.33 h1.14
  text "400mil" at 345.92,-88.88 h0.7
  text ".AddressEmail" at 236.02,-89.08 h1.78
  text ".PCB_FILE_NAME_NO_PATH" at 277.02,-89.33 h1.14
  text ".PCB_Revision" at 340.02,-89.58 h1.78
  text "1" at 21.196,-93.302 h1.78
  text "2" at 84.586,-93.302 h1.78
  text "3" at 147.815,-93.302 h1.78
  text "4" at 211.484,-93.302 h1.78
  text "5" at 274.959,-93.302 h1.78
  text "6" at 338.586,-93.302 h1.78
Title Mirror (M23):
  drawing of 254 lines, arcs and shapes, not listed
  text "6" at 22.254,142.918 h1.78
  text "5" at 85.881,142.918 h1.78
  text "4" at 149.356,142.918 h1.78
  text "3" at 213.025,142.918 h1.78
  text "2" at 276.254,142.918 h1.78
  text "1" at 339.644,142.918 h1.78
  text "A" at -6.905,113.886 h1.78
  text "A" at 369.015,113.886 h1.78
  text "B" at -6.905,53.434 h1.78
  text "B" at 369.015,53.434 h1.78
  text "C" at -6.905,-6.891 h1.78
  text "C" at 369.015,-6.891 h1.78
  text ".PRJ_Version" at 2.453,-66.951 h2
  text "D" at -6.905,-67.089 h1.78
  text "TITLE:" at 83.82,-67.08 h1.14
  text "D" at 369.015,-67.089 h1.78
  text "Project version:" at 27.82,-67.58 h1.5
  text ".PRJ_Title" at 83.82,-71.08 h2.5
  text "GERBER FILE:" at 55.82,-75.58 h1.14
  text "PCB DESIGNER:" at 83.82,-75.58 h1.14
  text ".PRJ_Year-.PRJ_Title-.PRJ_Version-.PCB_Name-R.PCB_Revision" at 55.82,-78.58 h1.5
  text ".Engineer_PCB" at 83.82,-78.58 h1.78
  text "DATE:" at 17.12,-81.58 h1.14
  text "ENGINEER:" at 83.82,-81.58 h1.14
  text ".AddressCompanyDeveloper" at 118.05,-83.84 h1.78
  text ".PRINT_DATE" at 17.12,-84.58 h1.5
  text ".Lead_PRJ" at 83.82,-84.58 h1.78
  text "Altium Version    '.Application_BuildNumber'" at 34.82,-85.58 h1.4
  text "BOARD NUMBER:   .PCB_Name-R.PCB_Revision" at 56.82,-85.58 h1.4
  text ".AddressCompany" at 122.82,-86.58 h1.78
  text "LAYER NAME:" at 55.82,-87.08 h1.14
  text "10mm" at 14.82,-87.18 h0.7
  text "REV:" at 25.07,-87.33 h1.14
  text "PCB FILE NAME:" at 83.82,-87.33 h1.14
  text "400mil" at 14.92,-88.88 h0.7
  text ".AddressEmail" at 124.82,-89.08 h1.78
  text ".PCB_FILE_NAME_NO_PATH" at 83.82,-89.33 h1.14
  text ".PCB_Revision" at 20.82,-89.58 h1.78
  text "6" at 22.254,-93.302 h1.78
  text "5" at 85.881,-93.302 h1.78
  text "4" at 149.356,-93.302 h1.78
  text "3" at 213.025,-93.302 h1.78
  text "2" at 276.254,-93.302 h1.78
  text "1" at 339.644,-93.302 h1.78

## Text inside footprints (layer, text, board x,y; h text height)
GS2: Top Overlay "JLCJLCJLCJLC" at 152.554,93.446 h1.8
GS3: Top Overlay "P" at 70.814,34.161 h5
GS4: Top Overlay "W" at 60.555,48.7 h5
GS5: Top Overlay "R" at 71.901,40.006 h5
GS6: Top Overlay "E" at 85.478,34.964 h5
GS7: Top Overlay "C" at 57.295,41.385 h5